# Allegro board REF_038HX-888005K4R-A100.brd (continued)
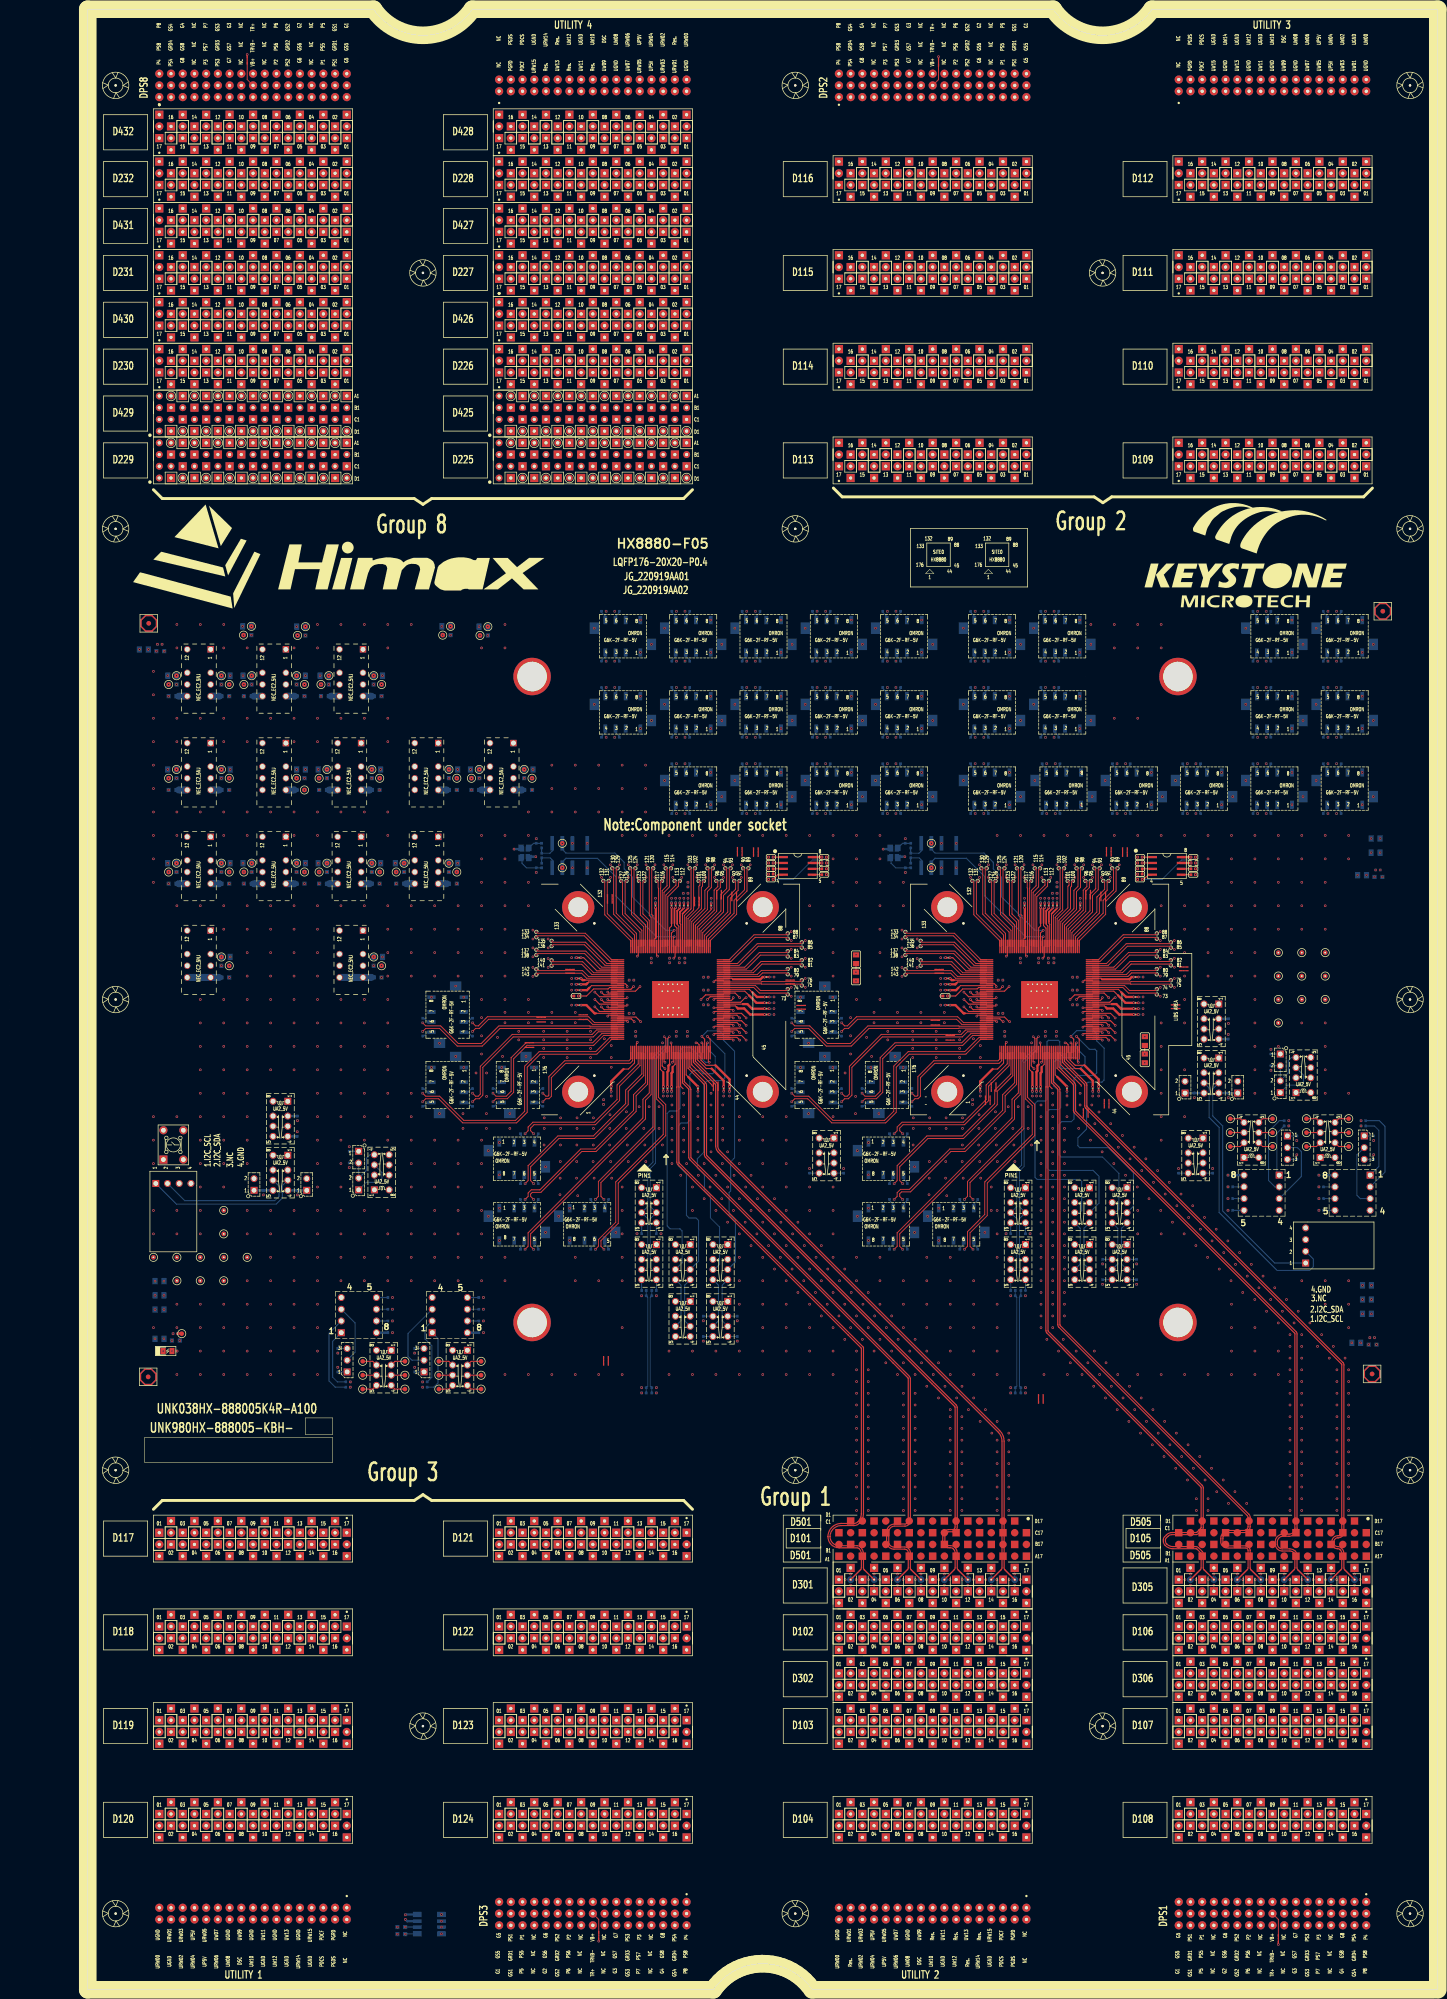
[diagram p0: board, top side]
## Routing (per net, layer and track width the routed paths; a pad name or vN(x,y) marks a point on that pad's centre or on a via; arc(x,y) is an arc through that point) (continued)
D11610: length 268.7
  TOP w0.203: SITE1.140 109.67,220.43 107.29,222.81 100.84,222.81 v2(100.55,223.11)
  L03_SIGNAL w0.135: 113.5,288.23 113.5,291.58 116.74,294.82 116.74,308.89 135.13,327.28 135.13,361.68 155.3,381.84 174.7,381.84 178.67,385.81 178.67,389.22
  L03_SIGNAL w0.145: 113.5,288.23 113.77,287.96 v2(114.23,287.96) ; 178.67,389.22 D116.10
  L22_SIGNAL w0.135: 100.18,222.74 99.21,222.74 99.08,222.88 99.08,223.11 98.94,223.25 98.67,223.25 98.54,223.11 98.54,222.88 98.4,222.74 98.14,222.74 98,222.88 98,223.11 97.87,223.25 97.6,223.25 97.46,223.11 97.46,222.88 97.33,222.74 89.36,222.74 81.7,230.4 81.7,274.98 83.63,276.91 103.31,276.91 104.63,278.23 104.63,284.74 105.97,286.08 112.79,286.08 113.5,286.79 113.5,287.69
  L22_SIGNAL w0.145: v2(114.23,287.96) 113.77,287.96 113.5,287.69 ; 100.18,222.74 v2(100.55,223.11)
D11611: length 268.7
  TOP w0.203: v2(97.25,224.28) 97.55,224.57 107.72,224.57 111.06,221.23 SITE1.138
  L05_SIGNAL w0.135: 113.09,281.99 113.09,281.09 112.83,280.82 112.14,280.82 110.83,282.13 110.83,305.69 132.32,327.18 132.32,378.45 155.49,401.62 175.76,401.62 181.27,396.11 181.27,395.14
  L05_SIGNAL w0.145: 181.27,395.14 180.89,394.76 177.65,394.76 177.4,394.51 177.4,393.84 177.53,393.7 D116.11 ; v2(112.37,282.26) 112.83,282.26 113.09,281.99
  L20_SIGNAL w0.135: 96.88,224.64 92.4,224.64 91.6,225.44 91.6,234.12 98.2,240.72 98.2,265.76 113.09,280.66 113.09,281.99
  L20_SIGNAL w0.145: v2(112.37,282.26) 112.83,282.26 113.09,281.99 ; v2(97.25,224.28) 96.88,224.64
D11612: length 268.7
  TOP w0.203: v2(100.55,221.97) 100.84,222.26 107.06,222.26 109.29,220.03 SITE1.141
  L03_SIGNAL w0.135: 113.1,288.23 113.1,291.75 116.34,294.99 116.34,309.06 134.73,327.45 134.73,361.85 155.13,382.25 174.53,382.25 178.26,385.98 178.26,389.21
  L03_SIGNAL w0.145: 178.26,389.21 177.42,390.05 176.64,390.05 D116.12 ; v2(112.37,287.96) 112.83,287.96 113.1,288.23
  L22_SIGNAL w0.135: 113.1,287.69 113.1,286.96 112.62,286.48 105.8,286.48 104.22,284.91 104.22,278.4 103.14,277.32 83.46,277.32 81.29,275.15 81.29,230.23 89.19,222.33 100.18,222.33
  L22_SIGNAL w0.145: 113.1,287.69 112.83,287.96 v2(112.37,287.96) ; 100.18,222.33 v2(100.55,221.97)
D11613: length 268.7
  TOP w0.203: SITE1.135 112.51,222.43 107.88,227.05 100.84,227.05 v2(100.55,227.35)
  L05_SIGNAL w0.135: 171.04,395.65 171.04,397.71 169.54,399.21 156.48,399.21 134.73,377.46 134.73,327.45 116.81,309.54 116.81,271.48 115.3,269.96 113.95,269.96 113.5,270.41 113.5,271.18
  L05_SIGNAL w0.145: 113.5,271.18 113.77,271.45 v2(114.23,271.45) ; D116.13 171.04,395.65
  L22_SIGNAL w0.135: 100.18,226.98 99.27,226.98 99.13,227.12 99.13,227.35 99,227.49 98.73,227.49 98.59,227.35 98.59,227.12 98.46,226.98 98.19,226.98 98.06,227.12 98.06,227.35 97.92,227.49 97.65,227.49 97.52,227.35 97.52,227.12 97.38,226.98 92.1,226.98 84.26,234.82 84.26,254.11 89.79,259.63 89.79,266.97 90.92,268.1 111.59,268.1 113.5,270.01 113.5,271.18
  L22_SIGNAL w0.145: 113.5,271.18 113.77,271.45 v2(114.23,271.45) ; 100.18,226.98 v2(100.55,227.35)
D11614: length 268.7
  TOP w0.203: SITE1.142 108.52,219.63 107.27,220.88 97.55,220.88 v2(97.25,221.18)
  L03_SIGNAL w0.135: 168.47,389.18 168.47,387.7 165.43,384.65 154.13,384.65 132.32,362.85 132.32,327.18 113.5,308.36 113.5,299.04
  L03_SIGNAL w0.145: 168.47,389.18 D116.14 ; v2(114.23,298.77) 113.77,298.77 113.5,299.04
  L20_SIGNAL w0.135: 96.88,220.81 95.54,220.81 95.41,220.95 95.41,221.18 95.28,221.32 95.01,221.32 94.87,221.18 94.87,220.95 94.74,220.81 94.47,220.81 94.33,220.95 94.33,221.18 94.2,221.32 93.93,221.32 93.79,221.18 93.79,220.95 93.66,220.81 92.64,220.81 91.86,220.04 91.86,208.31 91.12,207.57 88.41,207.57 87.9,208.08 87.9,251.8 89.96,253.86 89.96,266.68 90.97,267.68 94.38,267.68 104.69,277.99 104.69,287.65 113.5,296.46 113.5,298.5
  L20_SIGNAL w0.145: v2(114.23,298.77) 113.77,298.77 113.5,298.5 ; v2(97.25,221.18) 96.88,220.81
D11615: length 268.7
  TOP w0.203: v2(100.55,226.21) 100.84,226.5 107.66,226.5 112.13,222.03 SITE1.136
  L05_SIGNAL w0.135: 170.63,395.64 170.63,397.54 169.37,398.8 156.65,398.8 135.13,377.29 135.13,327.28 117.22,309.37 117.22,271.31 115.47,269.55 113.78,269.55 113.1,270.24 113.1,271.18
  L05_SIGNAL w0.145: v2(112.37,271.45) 112.83,271.45 113.1,271.18 ; 170.63,395.64 170.03,395.03 169.24,395.03 D116.15
  L22_SIGNAL w0.135: 100.18,226.57 91.93,226.57 83.85,234.65 83.85,254.28 89.38,259.8 89.38,267.14 90.75,268.51 111.42,268.51 113.1,270.18 113.1,271.18
  L22_SIGNAL w0.145: 100.18,226.57 v2(100.55,226.21) ; v2(112.37,271.45) 112.83,271.45 113.1,271.18
D11616: length 268.7
  TOP w0.203: v2(97.25,220.04) 97.55,220.33 107.04,220.33 108.15,219.23 SITE1.143
  L03_SIGNAL w0.135: 168.06,389.29 168.06,387.87 165.26,385.06 153.96,385.06 131.91,363.02 131.91,327.35 113.09,308.53 113.09,299.04
  L03_SIGNAL w0.145: 168.06,389.29 167.37,389.98 166.55,389.98 D116.16 ; 113.09,299.04 112.83,298.77 v2(112.37,298.77)
  L20_SIGNAL w0.135: 96.88,220.4 92.81,220.4 92.27,219.87 92.27,208.14 91.28,207.16 88.24,207.16 87.49,207.91 87.49,251.97 89.55,254.03 89.55,266.85 90.8,268.09 94.21,268.09 104.28,278.16 104.28,287.82 113.09,296.63 113.09,298.5
  L20_SIGNAL w0.145: v2(97.25,220.04) 96.88,220.4 ; 113.09,298.5 112.83,298.77 v2(112.37,298.77)
D11701: length 198.5
  TOP w0.231: SITE1.19 124.92,201.23 v1(125.12,201.03)
  L03_SIGNAL w0.145: D117.01 14.24,97.79 14.24,101.6 18.68,106.05 35.19,106.05 58.04,128.89 58.04,172.69 S1_RST_N.1
  L22_SIGNAL w0.145: v1(125.12,201.03) 122.62,198.53 122.62,187.2 115.75,180.34 69.71,180.34 67.75,182.3 64.46,182.3 63.75,181.59 63.75,180.39 K10.3
  BOTTOM w0.231: S1_RST_N.1 60.35,175 62.86,175 63.76,175.9 63.76,177.15 K10.3
D11702: length 203.7
  TOP w0.203: v2(72.6,207.71) 73.26,208.36 76.27,208.36 80.1,204.53 85.52,204.53 89.34,208.36 108.81,208.36 108.88,208.43 SITE1.170
  L05_SIGNAL w0.135: 20.68,100.95 20.68,168.27 25.65,173.24 25.65,199.45 32.35,206.15 73.13,206.15 73.52,206.54 73.52,208.16 73.25,208.43 72.87,208.43 72.6,208.16 v2(72.6,207.71)
  L05_SIGNAL w0.145: D117.02 19.16,100.17 19.9,100.17 20.68,100.95
D11703: length 274.1
  L03_SIGNAL w0.145: D117.03 16.78,92.71 14.39,92.71 13.6,93.5 13.6,102.23 21.36,109.99 21.36,169.62 26.26,174.52 26.26,192.25 39.82,205.8 75.04,205.8 85.84,216.6 97.63,216.6 102.92,221.9 108.67,221.9 117.11,230.33 136.49,230.33 146.76,220.06 149.73,220.06 151.51,218.27 166.14,218.27 v1(166.52,218.66)
D11704: length 203.7
  TOP w0.203: SITE1.169 108.88,208.83 108.81,208.9 89.11,208.9 85.29,205.08 80.32,205.08 76.49,208.91 73.26,208.91 v2(72.6,209.57)
  L05_SIGNAL w0.135: v2(72.6,209.57) 72.6,209.11 72.87,208.84 73.42,208.84 73.93,208.33 73.93,206.38 73.29,205.74 32.52,205.74 26.06,199.29 26.06,173.07 21.09,168.1 21.09,101.1
  L05_SIGNAL w0.145: D117.04 21.09,101.1
D11705: length 263.8
  TOP w0.231: v1(142.71,207.43) 141.71,208.43 SITE1.51
  L03_SIGNAL w0.145: S1_I2C.2 17.46,174.59 17.46,162.91 20.68,159.68 20.68,110.58 12.97,102.87 12.97,93.24 14.13,92.07 21.22,92.07 D117.05
  L22_SIGNAL w0.145: v1(142.71,207.43) 141.98,208.17 138.73,208.17 134.65,204.09 120.87,204.09 117.9,201.11 117.9,189.93 115.35,187.38 94.31,187.38 92.07,185.14 53.27,185.14 44.69,176.57 41.26,176.57 K28.6 39.82,175.81 J5.2
  BOTTOM w0.231: K28.6 41.44,174.18 41.44,171.93 40.54,171.03 21.02,171.03 S1_I2C.2
D11706: length 203.7
  TOP w0.203: v2(83.41,207.71) 84.07,208.36 84.9,208.36 86.88,210.35 108.34,210.35 109.46,209.23 SITE1.168
  L05_SIGNAL w0.135: v2(83.41,207.71) 83.41,208.16 83.68,208.43 86.38,208.43 86.82,207.99 86.82,205.36 86.33,204.87 79.47,204.87 77.16,202.56 34.34,202.56 30.72,198.95 30.72,172.72 26.31,168.3 26.31,110.7 30.93,106.08 30.93,101.05
  L05_SIGNAL w0.145: 30.93,101.05 30.04,100.17 29.32,100.17 D117.06
D11707: length 291.3
  TOP w0.231: v1(166.52,220.56) 166.54,220.58 RT9.1
  L03_SIGNAL w0.145: D117.07 25.67,91.44 13.87,91.44 12.33,92.97 12.33,103.5 17.55,108.72 17.55,159.72 16.16,161.1 16.16,175.68 18.49,178.01 18.49,187.04 40.1,208.65 76.31,208.65 85.63,217.96 97.48,217.96 102.48,222.96 108.23,222.96 116.26,230.99 137.33,230.99 147.7,220.62 166.46,220.62 v1(166.52,220.56)
D11708: length 203.7
  TOP w0.203: v2(83.41,209.57) 84.07,208.91 84.67,208.91 86.66,210.9 108.57,210.9 109.83,209.63 SITE1.167
  L05_SIGNAL w0.135: v2(83.41,209.57) 83.41,209.11 83.68,208.84 86.55,208.84 87.23,208.16 87.23,205.19 86.5,204.46 79.63,204.46 77.33,202.16 34.51,202.16 31.13,198.78 31.13,172.55 26.71,168.13 26.71,110.87 31.34,106.25 31.34,101.01
  L05_SIGNAL w0.145: D117.08 31.34,101.01
D11709: length 266.6
  TOP w0.231: SITE1.50 140.72,208.03 v1(141.32,207.43)
  L03_SIGNAL w0.145: S1_I2C.1 14.75,170.12 15.3,169.57 15.3,155.07 15.51,154.86 15.51,107.95 11.7,104.14 11.7,92.71 13.6,90.8 30.11,90.8 D117.09
  L22_SIGNAL w0.145: v1(141.32,207.43) 140.46,206.57 139.52,206.57 135.34,202.39 123.54,202.39 120.52,199.38 120.52,188.64 116.56,184.68 95.39,184.68 93.72,183.02 57.95,183.02 51.77,176.85 48.51,176.85 J4.2 43.7,175.81 K28.3
  BOTTOM w0.231: S1_I2C.1 19.22,170.28 40.85,170.28 42.18,171.62 42.18,174.29 K28.3
D11710: length 203.7
  TOP w0.203: v2(72.6,192.47) 73.26,193.12 76.05,193.12 81.28,187.9 92.97,187.9 95.26,190.19 95.26,199.96 98.07,202.78 110.34,202.78 113.59,206.03 SITE1.176
  L05_SIGNAL w0.135: v2(72.6,192.47) 72.6,192.92 72.87,193.19 73.63,193.19 74.06,192.76 74.06,191.51 73.41,190.86 65.66,190.86 60.99,195.53 48.91,195.53 46.65,193.27 46.65,185.33 44.61,183.29 35.36,183.29 33.42,181.35 33.42,169.7 30.91,167.2 30.91,114.21 41,104.12 41,101.06
  L05_SIGNAL w0.145: 41,101.06 40.5,100.56 39.87,100.56 D117.10
D11711: length 181
  L03_SIGNAL w0.145: D117.11 45.35,92.07 56.52,92.07 57.42,92.97 57.42,113.16 67.08,122.83 67.08,159.52 92.11,184.55 92.11,202.47 96.71,207.08 96.71,210.63 102.72,216.63 102.72,219.29 104.38,220.96 116.24,220.96 v1(118.36,218.83)
D11712: length 203.7
  TOP w0.203: SITE1.175 113.21,206.43 110.11,203.33 97.85,203.33 94.71,200.19 94.71,190.42 92.74,188.44 81.51,188.44 76.28,193.67 73.26,193.67 v2(72.6,194.33)
  L05_SIGNAL w0.135: v2(72.6,194.33) 72.6,193.87 72.87,193.6 73.8,193.6 74.47,192.93 74.47,191.34 73.58,190.45 65.49,190.45 60.82,195.12 49.08,195.12 47.06,193.1 47.06,185.16 44.78,182.88 35.53,182.88 33.83,181.18 33.83,169.53 31.32,167.03 31.32,114.38 41.41,104.29 41.41,101.1
  L05_SIGNAL w0.145: D117.12 41.41,101.1
D11713: length 203.7
  TOP w0.203: v2(87.84,192.47) 88.5,193.12 90.94,193.12 92.32,194.5 92.32,201.8 95.22,204.7 109.67,204.7 111.8,206.83 SITE1.174
  L05_SIGNAL w0.135: v2(87.84,192.47) 87.84,192.92 87.58,193.18 87.39,193.18 87.05,192.84 87.05,191.78 87.56,191.27 87.56,189.52 80.69,182.66 64.87,182.66 61.3,186.23 57.38,186.23 56.18,185.03 56.18,183.86 54.04,181.73 54.04,168.5 52.34,166.79 44.41,166.79 42.23,164.61 42.23,119.8 59.32,102.7 59.32,94.44 56.87,91.99 48.91,91.99 48.09,92.81 48.09,94.42
  L05_SIGNAL w0.145: D117.13 48.09,94.42
D11714: length 203.7
  TOP w0.203: v2(83.41,192.47) 84.07,193.12 84.87,193.12 85.64,193.89 85.64,199.92 92.24,206.52 109.56,206.52 110.67,207.63 SITE1.172
  L05_SIGNAL w0.135: v2(83.41,192.47) 83.41,192.92 83.68,193.19 83.96,193.19 84.23,192.92 84.23,189.65 83.14,188.56 77.44,188.56 76.34,187.47 65.4,187.47 60.06,192.81 52.45,192.81 51.2,191.56 51.2,183.3 50.33,182.43 47.58,182.43 45.97,180.82 45.97,178.59 46.91,177.65 50.39,177.65 51.2,176.84 51.2,172.76 49.39,170.95 38.42,170.95 35.89,168.42 35.89,118.44 51.17,103.15 51.17,101.09
  L05_SIGNAL w0.145: D117.14 50.13,100.66 50.75,100.66 51.17,101.09
D11715: length 203.7
  TOP w0.203: v2(87.84,194.33) 88.5,193.67 90.71,193.67 91.77,194.73 91.77,202.02 95,205.25 109.44,205.25 111.43,207.23 SITE1.173
  L05_SIGNAL w0.135: 48.5,94.41 48.5,92.98 49.08,92.39 56.7,92.39 58.92,94.61 58.92,102.53 41.82,119.63 41.82,164.78 44.24,167.2 52.17,167.2 53.63,168.67 53.63,181.9 55.77,184.03 55.77,185.2 57.21,186.64 61.46,186.64 65.04,183.07 80.52,183.07 87.15,189.69 87.15,191.1 86.64,191.61 86.64,193.01 87.23,193.6 87.57,193.6 87.84,193.87 v2(87.84,194.33)
  L05_SIGNAL w0.145: 48.5,94.41 49.11,95.02 50.02,95.02 51.07,96.06 D117.15
D11716: length 203.7
  TOP w0.203: SITE1.171 110.3,208.03 109.33,207.07 92.01,207.07 85.09,200.15 85.09,194.12 84.64,193.67 84.07,193.67 v2(83.41,194.33)
  L05_SIGNAL w0.135: 51.58,101.09 51.58,103.32 36.3,118.61 36.3,168.25 38.59,170.54 49.56,170.54 51.61,172.59 51.61,177.01 50.56,178.06 47.08,178.06 46.38,178.76 46.38,180.65 47.75,182.02 50.5,182.02 51.61,183.13 51.61,191.39 52.62,192.4 59.89,192.4 65.23,187.06 76.51,187.06 77.61,188.15 83.31,188.15 84.64,189.48 84.64,193.09 84.13,193.6 83.68,193.6 83.41,193.87 v2(83.41,194.33)
  L05_SIGNAL w0.145: D117.16 51.58,101.09
D11801: length 168.3
  L05_SIGNAL w0.135: 17.36,74.35 17.36,65.12 19.9,62.58 79.05,62.58 85.42,68.94 85.42,105.58 106.65,126.81 120.21,126.81 121.87,128.47 121.87,129.09
  L05_SIGNAL w0.145: 121.87,129.09 122.14,129.36 v1(123.26,129.36) ; 17.36,74.35 D118.01
D11802: length 203.7
  TOP w0.203: SITE1.2 118.12,201.37 117.55,200.8 103.61,200.8 100.49,197.69 100.49,193.65 99.97,193.12 99.31,193.12 v2(98.65,192.47)
  L05_SIGNAL w0.135: 20.31,81 20.31,83.24 27.47,90.4 58.43,90.4 61.9,93.86 61.9,105.28 60.65,106.53 60.65,151.22 62.27,152.85 62.27,167.72 70.95,176.4 79.15,176.4 94.01,191.25 98.94,191.25 99.56,191.87 99.56,192.94 99.3,193.19 98.92,193.19 98.65,192.92 v2(98.65,192.47)
  L05_SIGNAL w0.145: D118.02 20.31,81
D11803: length 168.3
  L05_SIGNAL w0.135: 17.77,74.35 17.77,65.29 20.07,62.99 78.88,62.99 85.01,69.11 85.01,105.75 106.48,127.22 120.04,127.22 121.46,128.63 121.46,129.09
  L05_SIGNAL w0.145: 17.77,74.35 18.25,74.82 19.87,74.82 20.59,75.54 D118.03 ; v1(120.06,129.36) 121.19,129.36 121.46,129.09
D11804: length 203.7
  TOP w0.203: v2(98.65,194.33) 99.31,193.67 99.74,193.67 99.94,193.87 99.94,197.91 103.38,201.35 117.33,201.35 117.72,201.74 SITE1.1
  L05_SIGNAL w0.135: v2(98.65,194.33) 98.65,193.87 98.92,193.6 99.47,193.6 99.96,193.11 99.96,191.7 99.11,190.85 94.18,190.85 79.32,175.99 71.12,175.99 62.68,167.55 62.68,152.68 61.06,151.05 61.06,106.7 62.31,105.45 62.31,93.7 58.6,89.99 27.63,89.99 20.71,83.07 20.71,80.98
  L05_SIGNAL w0.145: D118.04 22.95,78.74 20.71,80.98
D11805: length 213.5
  TOP w0.203: v2(111.9,160.49) 111.24,161.15 111.24,162.36 114.99,166.11 114.99,174.85 125.29,185.15 125.29,191.85 123.72,193.42 SITE1.16
  L05_SIGNAL w0.135: v2(111.9,160.49) 111.44,160.49 111.17,160.23 111.17,157.7 112.66,156.21 112.66,137.57 81.82,106.73 81.82,80.24 67.45,65.88 29.97,65.88 27.59,68.26 27.59,74.28
  L05_SIGNAL w0.145: D118.05 27.59,74.28
D11806: length 213.5
  TOP w0.203: SITE1.6 119.72,200.3 115.28,195.87 115.28,192.72 110.05,187.49 96.73,187.49 96,186.76 96,186.18 v2(96.66,185.53)
  L05_SIGNAL w0.135: v2(96.66,185.53) 96.2,185.53 95.93,185.8 95.93,186.87 96.43,187.37 103.27,187.37 103.95,186.68 103.95,182.71 103.36,182.12 91.57,182.12 82,172.55 75.04,172.55 68.17,165.67 68.17,126.67 64.9,123.4 64.9,93.02 60.23,88.35 32.55,88.35 30.98,86.78 30.98,80.79
  L05_SIGNAL w0.145: D118.06 28.21,79.82 28.58,80.2 30.39,80.2 30.98,80.79
D11807: length 213.5
  TOP w0.203: v2(110.04,160.49) 110.69,161.15 110.69,162.59 114.44,166.34 114.44,175.08 124.74,185.37 124.74,191.62 123.32,193.04 SITE1.15
  L05_SIGNAL w0.135: v2(110.04,160.49) 110.49,160.49 110.76,160.23 110.76,157.53 112.26,156.04 112.26,137.74 81.41,106.9 81.41,80.41 67.29,66.29 30.14,66.29 28,68.43 28,74.28
  L05_SIGNAL w0.145: 28,74.28 28.55,74.84 30.38,74.84 30.75,75.21 D118.07
D11808: length 213.5
  TOP w0.203: v2(94.8,185.53) 95.45,186.18 95.45,186.99 96.5,188.04 109.82,188.04 114.73,192.95 114.73,196.09 119.32,200.68 SITE1.5
  L05_SIGNAL w0.135: 31.39,80.75 31.39,86.61 32.72,87.94 60.4,87.94 65.31,92.86 65.31,123.23 68.58,126.5 68.58,165.5 75.21,172.14 82.17,172.14 91.74,181.71 103.53,181.71 104.36,182.54 104.36,186.85 103.44,187.78 96.26,187.78 95.52,187.03 95.52,185.8 95.25,185.53 v2(94.8,185.53)
  L05_SIGNAL w0.145: 31.39,80.75 33.29,78.85 D118.08
D11809: length 213.5
  TOP w0.203: SITE1.14 122.92,186.63 111.24,174.95 111.24,171.96 v2(111.9,171.3)
  L05_SIGNAL w0.135: v2(111.9,171.3) 111.44,171.3 111.17,171.03 111.17,166.78 108.22,163.83 108.22,156.26 107.22,155.26 104.1,155.26 103.02,156.33 103.02,161.37 102.38,162.02 100.93,162.02 100.44,161.53 100.44,152.13 104.67,147.89 104.67,134.82 78.54,108.68 78.54,82.14 65.11,68.72 39.51,68.72 37.62,70.6 37.62,74.41
  L05_SIGNAL w0.145: D118.09 37.62,74.41
D11810: length 213.5
  TOP w0.203: SITE1.8 120.52,198.12 117.15,194.75 117.15,191.83 109.83,184.51 102.13,184.51 96,178.38 96,175.37 v2(96.66,174.72)
  L05_SIGNAL w0.135: 40.15,80.53 40.15,84.58 41.69,86.11 61.58,86.11 67.71,92.24 67.71,120.64 76.25,129.18 76.25,140.16 77.45,141.35 77.45,150.8 76.28,151.97 74.25,151.97 72.7,153.52 72.7,165.96 73.79,167.06 77.09,167.06 78.21,165.94 78.21,155.74 78.75,155.2 81.26,155.2 81.86,155.79 81.86,167.93 89.98,176.05 95.42,176.05 95.93,175.54 95.93,174.99 96.2,174.72 v2(96.66,174.72)
  L05_SIGNAL w0.145: D118.10 40.15,80.53
D11811: length 213.5
  TOP w0.203: SITE1.13 122.52,187 110.69,175.18 110.69,171.96 v2(110.04,171.3)
  L05_SIGNAL w0.135: v2(110.04,171.3) 110.49,171.3 110.76,171.03 110.76,166.95 107.81,164 107.81,156.42 107.05,155.67 104.26,155.67 103.43,156.5 103.43,161.54 102.55,162.43 100.76,162.43 100.03,161.7 100.03,151.96 104.26,147.72 104.26,134.99 78.13,108.85 78.13,82.31 64.94,69.13 39.68,69.13 38.03,70.77 38.03,74.45
  L05_SIGNAL w0.145: 38.03,74.45 38.45,74.87 39.9,74.87 40.91,75.88 D118.11
D11812: length 213.5
  TOP w0.203: SITE1.7 120.12,198.5 116.6,194.98 116.6,192.05 109.6,185.05 101.9,185.05 95.45,178.61 95.45,175.37 v2(94.8,174.72)
  L05_SIGNAL w0.135: 40.56,80.58 40.56,84.41 41.85,85.7 61.75,85.7 68.12,92.07 68.12,120.47 76.66,129.01 76.66,139.99 77.86,141.18 77.86,150.97 76.45,152.38 74.42,152.38 73.11,153.69 73.11,165.79 73.96,166.65 76.92,166.65 77.8,165.77 77.8,155.57 78.58,154.79 81.43,154.79 82.27,155.62 82.27,167.76 90.14,175.64 95.25,175.64 95.52,175.37 95.52,174.99 95.25,174.72 v2(94.8,174.72)
  L05_SIGNAL w0.145: D118.12 43.45,79.12 42.41,80.16 40.98,80.16 40.56,80.58
D11813: length 213.5
  TOP w0.203: v2(96.66,160.49) 96,161.15 96,163.84 120.89,188.73 120.89,192.77 122.12,194 SITE1.12
  L05_SIGNAL w0.135: v2(96.66,160.49) 96.2,160.49 95.93,160.23 95.93,154.78 89.45,148.3 89.45,131.08 74.38,116 74.38,114.89 75.01,114.26 75.89,114.26 86.98,125.36 88.17,125.36 89.3,124.23 89.3,123.26 74.34,108.3 74.34,82.18 63.5,71.34 48.62,71.34 47.68,72.27 47.68,74.51
  L05_SIGNAL w0.145: D118.13 47.68,74.51
D11814: length 213.5
  TOP w0.203: v2(96.66,171.3) 96,171.96 96,172.47 96.36,172.83 98.24,172.83 107.09,181.68 110.18,181.68 118.86,190.36 118.86,193.76 121.32,196.22 SITE1.10
  L05_SIGNAL w0.135: v2(96.66,171.3) 96.2,171.3 95.93,171.57 95.93,172.28 96.31,172.66 101.08,172.66 103.14,174.72 104.37,174.72 105.17,173.92 105.17,173.02 101.81,169.67 92.37,169.67 91.21,170.82 88.96,170.82 88,169.87 88,167.19 88.82,166.37 97.17,166.37 97.44,166.1 97.44,164.21 96.82,163.59 87.95,163.59 86.8,162.44 86.8,133.42 70.77,117.38 70.77,86.7 67.54,83.48 51.9,83.48 51.37,82.94 51.37,80.57
  L05_SIGNAL w0.145: 51.37,80.57 50.88,80.09 49.17,80.09 48.53,79.45 D118.14
D11815: length 213.5
  TOP w0.203: v2(94.8,160.49) 95.45,161.15 95.45,164.07 120.34,188.96 120.34,193 121.72,194.38 SITE1.11
  L05_SIGNAL w0.135: 48.09,74.52 48.09,72.44 48.79,71.75 63.33,71.75 73.93,82.35 73.93,108.47 88.89,123.43 88.89,124.06 88,124.95 87.15,124.95 76.06,113.85 74.84,113.85 73.97,114.73 73.97,116.17 89.04,131.25 89.04,148.47 95.52,154.95 95.52,160.23 95.25,160.49 v2(94.8,160.49)
  L05_SIGNAL w0.145: 48.09,74.52 48.57,75 49.87,75 D118.15
D11816: length 213.5
  TOP w0.203: SITE1.9 120.92,196.6 118.31,193.99 118.31,190.59 109.95,182.23 106.86,182.23 98.01,173.38 96.14,173.38 95.45,172.69 95.45,171.96 v2(94.8,171.3)
  L05_SIGNAL w0.135: v2(94.8,171.3) 95.25,171.3 95.52,171.57 95.52,172.45 96.14,173.07 100.91,173.07 102.97,175.13 104.54,175.13 105.57,174.09 105.57,172.85 101.98,169.26 92.2,169.26 91.04,170.41 89.13,170.41 88.41,169.7 88.41,167.36 88.98,166.78 97.34,166.78 97.85,166.27 97.85,164.04 96.98,163.18 88.12,163.18 87.21,162.27 87.21,133.25 71.17,117.21 71.17,86.54 67.71,83.07 52.07,83.07 51.78,82.77 51.78,80.57
  L05_SIGNAL w0.145: D118.16 51.78,80.57
D11901: length 238.4
  TOP w0.231: SITE1.165 117.84,210.43 v1(118.44,209.83)
  L03_SIGNAL w0.145: v1(118.44,209.83) 117.5,208.89 117.5,205.26 117.29,205.04 117.29,200.68 117.58,200.39 117.58,189.7 116.11,188.23 116.11,179.59 108.82,172.31 108.82,167.96 103.85,163 103.85,140.45 67.58,104.17 67.58,68.64 63.13,64.2 63.13,50.86 59.9,47.62 23.76,47.62 D119.01
D11902: length 282.8
  TOP w0.231: v1(118.32,217.43) 117.72,216.83 SITE1.149
  L03_SIGNAL w0.145: D119.02 19.21,59.58 19.21,61.89 18.77,62.33 14.71,62.33 13.81,61.43 13.81,55.72 12.99,54.9 4.12,54.9 3.33,55.69 3.33,71.44 4.28,72.39 56.85,72.39 58.05,73.6 58.05,112.9 67.82,122.67 67.82,158.99 92.74,183.91 92.74,202.21 97.35,206.82 97.35,210.36 103.35,216.37 103.35,219.03 104.65,220.32 111.43,220.32 113.64,218.12 117.63,218.12 v1(118.32,217.43)
D11903: length 229.9
  TOP w0.231: v1(117.05,209.83) 116.85,210.03 SITE1.166
  L03_SIGNAL w0.145: D119.03 28.21,48.26 59.63,48.26 62.5,51.13 62.5,64.46 66.94,68.91 66.94,105.5 94.11,132.66 94.11,133.3 103.23,142.42 103.23,163.75 108.11,168.63 108.11,172.44 115.47,179.8 115.47,190.24 116.75,191.52 116.75,205.25 116.98,205.47 116.98,209.63 117.05,209.7 v1(117.05,209.83)
D11904: length 271.1
  TOP w0.231: v1(109.92,216.23) 110.93,215.23 SITE1.153
  L03_SIGNAL w0.145: v1(109.92,216.23) 108.47,216.23 108.26,216.01 103.9,216.01 97.98,210.1 97.98,206.55 93.38,201.95 93.38,183.28 68.71,158.61 68.71,122.66 58.69,112.64 58.69,73.33 57.11,71.75 5.47,71.75 4.45,70.74 4.45,56.7 5.12,56.03 11.63,56.03 12.31,56.72 12.31,62.38 13.33,63.39 20.82,63.39 21.83,62.38 21.83,59.72 D119.04
D11905: length 224.2
  L03_SIGNAL w0.145: v1(118.36,211.63) 117.52,210.79 116.69,210.79 116.45,210.55 116.45,205.69 116.11,205.35 116.11,191.78 114.84,190.5 114.84,180.05 107.1,172.32 107.1,169.18 101.49,163.57 101.49,160.06 89.54,148.11 89.54,128.99 66.31,105.76 66.31,69.17 61.86,64.72 61.86,51.39 59.37,48.89 32.65,48.89 D119.05
D11906: length 282.8
  TOP w0.231: v1(111.32,216.23) 111.92,215.63 SITE1.152
  L03_SIGNAL w0.145: D119.06 31.55,61.76 31.55,64.71 30.84,65.42 12.28,65.42 11.32,64.46 11.32,57.47 10.88,57.03 6.19,57.03 5.45,57.77 5.45,70.11 6.46,71.12 57.37,71.12 59.32,73.07 59.32,112.37 69.55,122.6 69.55,155.64 94.2,180.29 94.2,199.23 97.01,202.04 97.01,204.32 98.02,205.33 101.27,205.33 103.03,207.09 103.03,213.14 104.12,214.23 107.76,214.23 108.96,215.42 110.51,215.42 v1(111.32,216.23)
D11907: length 223.1
  TOP w0.231: SITE1.158 116.72,213.23 v1(116.92,213.43)
  L03_SIGNAL w0.145: D119.07 37.1,49.53 59.11,49.53 61.23,51.65 61.23,64.99 65.67,69.43 65.67,106.22 88.73,129.28 88.73,148.93 100.2,160.39 100.2,167.73 114.2,181.73 114.2,202.6 112.83,203.97 112.83,207.52 113.12,207.8 113.12,209.69 113.69,210.26 115.29,210.26 116.61,211.58 116.61,213.12 v1(116.92,213.43)
D11908: length 204.2
  TOP w0.231: SITE1.157 110.93,213.63 v1(109.92,214.63)
  L03_SIGNAL w0.145: v1(109.92,214.63) 109.35,214.63 106.57,211.86 106.57,211.5 104.58,209.51 104.58,205.17 104.11,204.7 98.29,204.7 97.65,204.06 97.65,201.78 95.37,199.5 95.37,180.19 76.19,161.01 76.19,126.3 59.96,110.08 59.96,72.81 57.64,70.48 45.35,70.48 D119.08
D11909: length 217.4
  TOP w0.231: v1(116.92,215.03) 116.72,214.83 SITE1.154
  L03_SIGNAL w0.145: D119.09 41.54,50.16 58.84,50.16 60.59,51.92 60.59,65.25 65.04,69.7 65.04,106.48 88.1,129.54 88.1,149.85 98.23,159.98 98.23,167.4 112.03,181.2 112.03,189.34 112.57,189.88 112.57,199.45 111.41,200.61 111.41,207.05 112.46,208.11 112.46,209.78 113.43,210.74 113.43,211.54 v1(116.92,215.03)
D11910: length 196.7
  TOP w0.231: SITE1.156 111.92,214.03 v1(111.32,214.63)
  L03_SIGNAL w0.145: v1(111.32,214.63) 110.54,213.85 109.53,213.85 107.39,211.71 107.39,210.18 105.42,208.2 105.42,203.78 105.03,203.4 102.96,203.4 96.01,196.45 96.01,178.29 77.01,159.29 77.01,126.23 60.59,109.81 60.59,72.54 57.9,69.85 49.8,69.85 D119.10
D11911: length 282.8
  TOP w0.231: v1(112.72,216.23) 112.92,216.03 SITE1.151
  L03_SIGNAL w0.145: D119.11 42.01,54.78 42.01,52.35 43.41,50.95 48.92,50.95 49.86,51.88 49.86,56.32 50.61,57.08 57.16,57.08 59.32,59.25 59.32,65.78 63.77,70.22 63.77,107.01 84.21,127.45 84.21,150.17 93.79,159.75 93.79,160.74 92.96,161.57 91.54,161.57 85.17,155.2 84.51,155.2 84.21,155.5 84.21,156.47 101.29,173.55 101.29,187.62 101.63,187.96 102.92,187.96 103.25,187.63 103.25,177.28 103.55,176.98 104.75,176.98 105.08,177.3 105.08,187.85 105.41,188.19 106.63,188.19 106.85,187.98 106.85,181.63 107.31,181.16 108.35,181.16 108.79,181.6 108.79,189.16 108.31,189.65 102.89,189.65 101.3,191.23 101.29,191.23 101.29,196.8 104.03,199.54 108.9,199.54 110.26,200.9 110.26,207.89 111.1,208.73 111.1,210.27 113.44,212.61 113.44,215.51 v1(112.72,216.23)
D11912: length 191.2
  TOP w0.231: v1(109.92,213.03) 110.93,212.03 SITE1.161